# KiCad board JumperlessV5r8.kicad_pcb (continued)
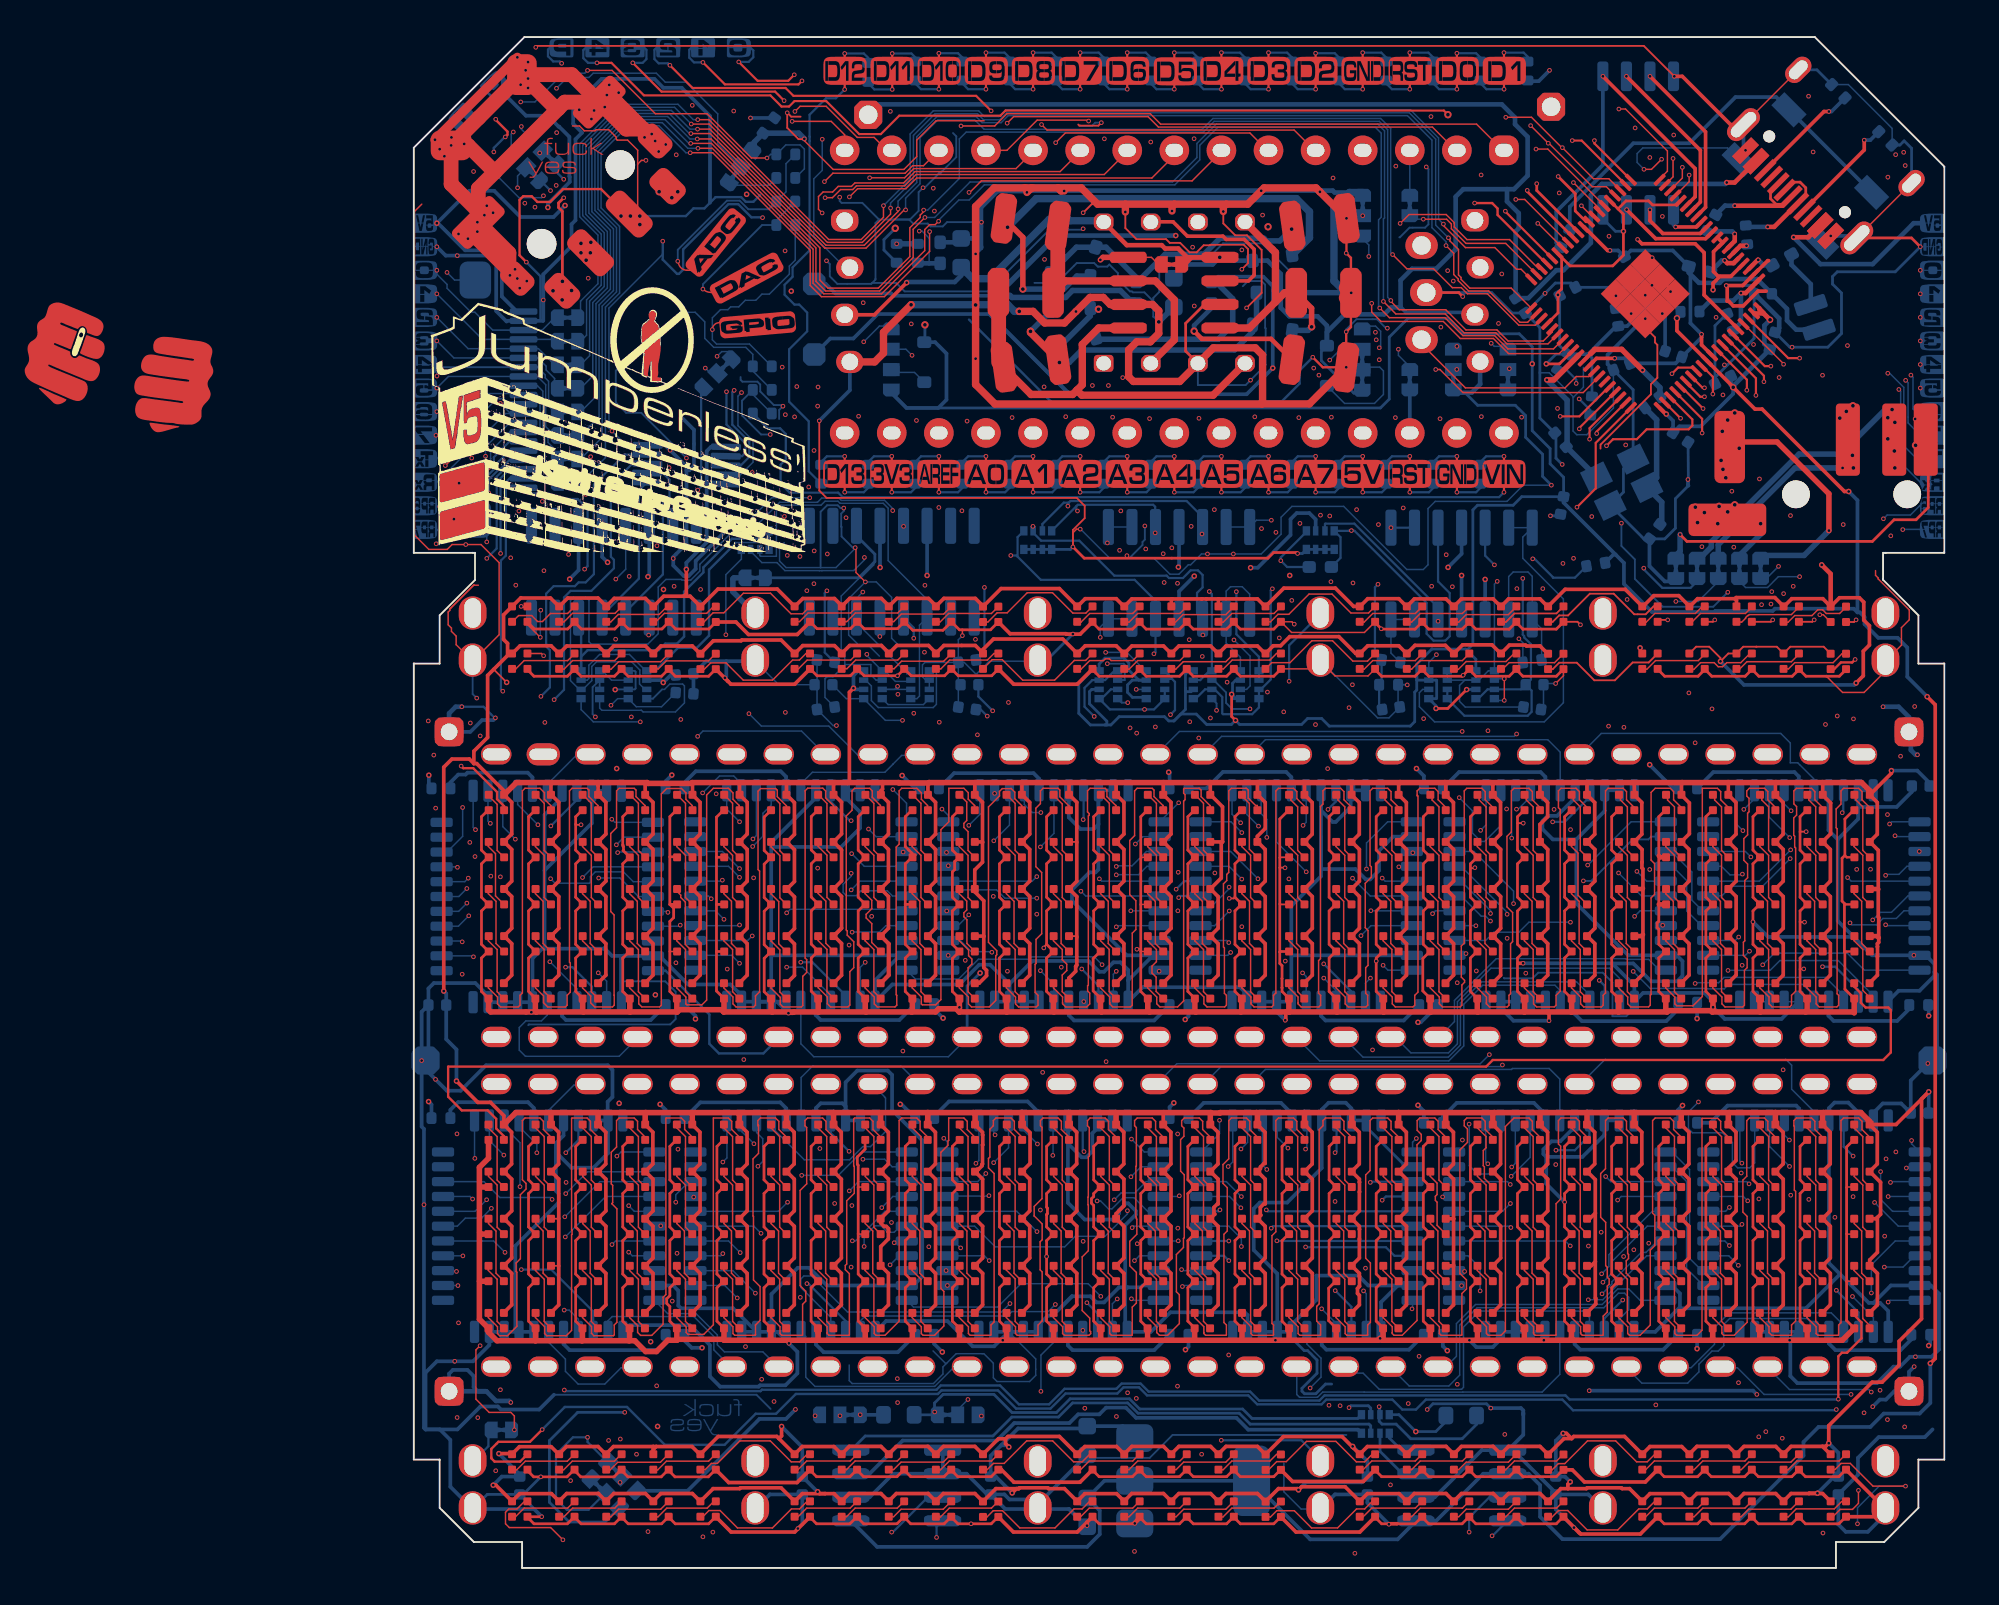
[diagram p0: board, top side]
## Routing (per net, layer and track width the routed paths; a pad name or vN(x,y) marks a point on that pad's centre or on a via; arc(x,y) is an arc through that point) (continued)
Net-(D1311-DOUT): length 3.7
  Top w0.08: D1311.1 4.03,23.72 4.5,23.26 4.5,20.91 4.85,20.56
Net-(D1312-DOUT): length 3.7
  Top w0.08: 4.85,18.02 4.5,18.37 4.5,20.65 4.03,21.11 4.03,21.38 4.02,21.39
Net-(D1313-DOUT): length 3.7
  Top w0.08: 4.02,18.85 4.03,18.84 4.03,18.57 4.44,18.17 4.44,15.89 4.85,15.48
Net-(D1314-DOUT): length 3.7
  Top w0.08: 4.85,12.94 4.5,13.29 4.5,15.57 4.02,16.04 4.02,16.31
Net-(D1315-DOUT): length 16.5
  Top w0.08: 4.02,13.77 4.02,13.5 4.52,13.01 4.52,12.64 4.63,12.52 5.05,12.52 5.56,13.03 5.56,15.94 5.52,15.98 5.52,16.44 5.75,16.67 5.75,20.13 6.05,20.43 6.05,20.74 5.86,20.93 5.86,24.12 6,24.26 6.81,24.26 6.99,24.08 6.99,23.64 7.4,23.23 D1321.4
Net-(D1321-DOUT): length 3.7
  Top w0.08: 7.39,20.56 7.04,20.91 7.04,23.26 6.57,23.72 D1321.1
Net-(D1322-DOUT): length 3.7
  Top w0.08: 6.56,21.39 6.57,21.38 6.57,21.11 7.04,20.65 7.04,18.37 7.39,18.02
Net-(D1323-DOUT): length 3.7
  Top w0.08: 7.39,15.48 6.98,15.89 6.98,18.17 6.57,18.57 6.57,18.84 6.56,18.85
Net-(D1324-DOUT): length 3.7
  Top w0.08: 7.39,12.94 7.04,13.29 7.04,15.57 6.56,16.04 6.56,16.31
Net-(D1325-DOUT): length 16.7
  Top w0.08: D1331.4 9.94,23.23 9.53,23.64 9.53,24.08 9.35,24.26 8.54,24.26 8.51,24.24 8.51,18.24 8.54,18.21 8.54,17.99 8.51,17.97 8.51,12.81 8.23,12.52 7.17,12.52 7.06,12.64 7.06,13.01 6.56,13.5 6.56,13.77
Net-(D1331-DOUT): length 3.7
  Top w0.08: D1331.1 9.11,23.72 9.58,23.26 9.58,20.91 9.93,20.56
Net-(D1332-DOUT): length 3.7
  Top w0.08: 9.93,18.02 9.58,18.37 9.58,20.65 9.11,21.11 9.11,21.38 9.1,21.39
Net-(D1333-DOUT): length 3.7
  Top w0.08: 9.1,18.85 9.11,18.84 9.11,18.57 9.52,18.17 9.52,15.89 9.93,15.48
Net-(D1334-DOUT): length 3.7
  Top w0.08: 9.1,16.31 9.1,16.04 9.58,15.57 9.58,13.29 9.93,12.94
Net-(D1335-DOUT): length 17
  Top w0.08: 9.1,13.77 9.1,13.5 9.58,13.02 9.58,12.65 9.71,12.52 10.77,12.52 10.81,12.56 10.81,13.1 10.96,13.24 10.96,19.36 10.68,19.64 10.73,19.69 10.73,20.63 10.65,20.71 10.65,22.41 10.94,22.7 10.94,24.12 11.08,24.26 11.89,24.26 12.07,24.08 12.07,23.64 12.48,23.23 D1341.4
Net-(D1341-DOUT): length 3.7
  Top w0.08: D1341.1 11.65,23.72 12.12,23.26 12.12,20.91 12.47,20.56
Net-(D1342-DOUT): length 3.7
  Top w0.08: 12.47,18.02 12.12,18.37 12.12,20.65 11.65,21.11 11.65,21.38 11.64,21.39
Net-(D1343-DOUT): length 3.7
  Top w0.08: 12.47,15.48 12.06,15.89 12.06,18.17 11.65,18.57 11.65,18.84 11.64,18.85
Net-(D1344-DOUT): length 3.7
  Top w0.08: 12.47,12.94 12.12,13.29 12.12,15.57 11.64,16.04 11.64,16.31
Net-(D1345-DOUT): length 16.4
  Top w0.08: D1351.4 15.02,23.23 14.61,23.64 14.61,24.08 14.43,24.26 13.62,24.26 13.6,24.24 13.6,14.74 13.45,14.59 13.45,13.15 12.84,12.54 12.23,12.54 12.07,12.7 12.07,13.07 11.64,13.5 11.64,13.77
Net-(D1351-DOUT): length 3.7
  Top w0.08: 15.01,20.56 14.66,20.91 14.66,23.26 14.19,23.72 D1351.1
Net-(D1352-DOUT): length 3.7
  Top w0.08: 14.18,21.39 14.19,21.38 14.19,21.11 14.66,20.65 14.66,18.37 15.01,18.02
Net-(D1353-DOUT): length 3.7
  Top w0.08: 14.18,18.85 14.19,18.84 14.19,18.57 14.6,18.17 14.6,15.89 15.01,15.48
Net-(D1354-DOUT): length 3.7
  Top w0.08: 14.18,16.31 14.18,16.04 14.66,15.57 14.66,13.29 15.01,12.94
Net-(D1355-DOUT): length 16.4
  Top w0.08: 14.18,13.77 14.18,13.5 14.69,12.99 14.69,12.69 14.79,12.59 15.64,12.59 16.16,13.11 16.16,24.26 16.97,24.26 17.15,24.08 17.15,23.64 17.56,23.23 D1361.4
Net-(D1361-DOUT): length 3.7
  Top w0.08: D1361.1 16.73,23.72 17.2,23.26 17.2,20.91 17.55,20.56
Net-(D1362-DOUT): length 3.7
  Top w0.08: 16.72,21.39 16.73,21.38 16.73,21.11 17.2,20.65 17.2,18.37 17.55,18.02
Net-(D1363-DOUT): length 3.7
  Top w0.08: 16.72,18.85 16.73,18.84 16.73,18.57 17.14,18.17 17.14,15.89 17.55,15.48
Net-(D1364-DOUT): length 3.7
  Top w0.08: 16.72,16.31 16.72,16.04 17.2,15.57 17.2,13.29 17.55,12.94
Net-(D1365-DOUT): length 17.1
  Top w0.08: 16.72,13.77 16.72,13.5 17.22,13.01 17.22,12.64 17.31,12.55 18.41,12.55 18.43,12.56 18.43,13.1 18.68,13.35 18.68,15.17 18.32,15.53 18.32,18.96 18.3,18.98 18.3,22.06 18.59,22.35 18.59,23.88 18.56,23.91 ; D1371.4 20.1,23.23 19.69,23.64 19.69,24.08 19.51,24.26 18.7,24.26 18.56,24.12 18.56,23.91 ; 18.56,23.84 18.56,23.91
Net-(D1371-DOUT): length 3.7
  Top w0.08: 20.09,20.56 19.74,20.91 19.74,23.26 19.27,23.72 D1371.1
Net-(D1372-DOUT): length 3.7
  Top w0.08: 20.09,18.02 19.74,18.37 19.74,20.65 19.27,21.11 19.27,21.38 19.26,21.39
Net-(D1373-DOUT): length 3.7
  Top w0.08: 19.26,18.85 19.27,18.84 19.27,18.57 19.68,18.17 19.68,15.89 20.09,15.48
Net-(D1374-DOUT): length 3.7
  Top w0.08: 20.09,12.94 19.74,13.29 19.74,15.57 19.26,16.04 19.26,16.31
Net-(D1375-DOUT): length 17
  Top w0.08: D1381.4 22.64,23.23 22.23,23.64 22.23,24.08 22.05,24.26 21.24,24.26 21.1,24.12 21.1,23.84 21.19,23.75 21.19,20.71 20.84,20.35 20.84,15.22 21.14,14.92 21.14,14.39 20.97,14.21 20.97,12.56 20.95,12.55 19.85,12.55 19.75,12.64 19.75,13.01 19.26,13.5 19.26,13.77
Net-(D1381-DOUT): length 3.7
  Top w0.08: D1381.1 21.81,23.72 22.28,23.26 22.28,20.91 22.63,20.56
Net-(D1382-DOUT): length 3.7
  Top w0.08: 22.63,18.02 22.28,18.37 22.28,20.65 21.81,21.11 21.81,21.38 21.8,21.39
Net-(D1383-DOUT): length 3.7
  Top w0.08: 21.8,18.85 21.81,18.84 21.81,18.57 22.22,18.17 22.22,15.89 22.63,15.48
Net-(D1384-DOUT): length 3.7
  Top w0.08: 22.63,12.94 22.28,13.29 22.28,15.57 21.8,16.04 21.8,16.31
Net-(D1385-DOUT): length 16.8
  Top w0.08: D1391.4 25.18,23.23 24.77,23.64 24.77,24.08 24.59,24.26 23.78,24.26 23.73,24.21 23.73,21.68 23.76,21.65 23.76,20.2 23.35,19.8 23.35,16.39 23.27,16.31 23.27,16.09 23.49,15.87 23.49,12.55 22.39,12.55 22.3,12.64 22.3,12.69 22.29,12.69 22.29,13.01 21.8,13.5 21.8,13.77
Net-(D1391-DOUT): length 3.7
  Top w0.08: 25.17,20.56 24.82,20.91 24.82,23.26 24.35,23.72 D1391.1
Net-(D1392-DOUT): length 3.7
  Top w0.08: 24.34,21.39 24.35,21.38 24.35,21.11 24.82,20.65 24.82,18.37 25.17,18.02
Net-(D1393-DOUT): length 3.7
  Top w0.08: 25.17,15.48 24.76,15.89 24.76,18.17 24.35,18.57 24.35,18.84 24.34,18.85
Net-(D1394-DOUT): length 3.7
  Top w0.08: 24.34,16.31 24.34,16.04 24.82,15.57 24.82,13.29 25.17,12.94
Net-(D1395-DOUT): length 16.3
  Top w0.08: D1401.4 27.72,23.23 27.31,23.64 27.31,24.08 27.13,24.26 26.32,24.26 26.18,24.12 26.18,13.31 25.42,12.55 24.93,12.55 24.84,12.64 24.84,13.01 24.34,13.5 24.34,13.77
Net-(D1401-DOUT): length 3.7
  Top w0.08: D1401.1 26.89,23.72 27.36,23.26 27.36,20.91 27.71,20.56
Net-(D1402-DOUT): length 3.7
  Top w0.08: 27.71,18.02 27.36,18.37 27.36,20.65 26.89,21.11 26.89,21.38 26.88,21.39
Net-(D1403-DOUT): length 3.7
  Top w0.08: 27.71,15.48 27.3,15.89 27.3,18.17 26.89,18.57 26.89,18.84 26.88,18.85
Net-(D1404-DOUT): length 3.7
  Top w0.08: 26.88,16.31 26.88,16.04 27.36,15.57 27.36,13.29 27.71,12.94
Net-(D1405-DOUT): length 16.5
  Top w0.08: 26.88,13.77 26.88,13.5 27.38,13.01 27.38,12.64 27.47,12.55 28.09,12.55 28.59,13.05 28.59,14.91 28.43,15.07 28.43,22.41 28.81,22.79 28.81,23.02 28.85,23.06 28.85,24.26 28.86,24.26 29.67,24.26 29.85,24.08 29.85,23.64 30.26,23.23 30.26,23.08
Net-(D1411-DOUT): length 3.7
  Top w0.08: 30.25,20.56 29.9,20.91 29.9,23.26 29.43,23.72 29.43,23.91
Net-(D1412-DOUT): length 3.7
  Top w0.08: 29.42,21.39 29.43,21.38 29.43,21.11 29.9,20.65 29.9,18.37 30.25,18.02
Net-(D1413-DOUT): length 3.7
  Top w0.08: 29.42,18.85 29.43,18.84 29.43,18.57 29.84,18.17 29.84,15.89 30.25,15.48
Net-(D1414-DOUT): length 3.7
  Top w0.08: 29.42,16.31 29.42,16.04 29.9,15.57 29.9,13.29 30.25,12.94
Net-(D1415-DOUT): length 16.9
  Top w0.08: 32.8,23.08 32.8,23.23 32.39,23.64 32.39,24.08 32.21,24.26 31.4,24.26 31.26,24.12 31.26,23.84 31.07,23.66 31.07,22.16 31,22.08 31,21.57 31.3,21.27 31.3,13.27 31.13,13.1 31.13,12.56 31.11,12.55 30.01,12.55 29.92,12.64 29.92,13.01 29.42,13.5 29.42,13.77
Net-(D1421-DOUT): length 3.7
  Top w0.08: 32.79,20.56 32.44,20.91 32.44,23.26 31.97,23.72 31.97,23.91
Net-(D1422-DOUT): length 3.7
  Top w0.08: 32.79,18.02 32.44,18.37 32.44,20.65 31.97,21.11 31.97,21.38 31.96,21.39
Net-(D1423-DOUT): length 3.7
  Top w0.08: 31.96,18.85 31.97,18.84 31.97,18.57 32.38,18.17 32.38,15.89 32.79,15.48
Net-(D1424-DOUT): length 3.7
  Top w0.08: 31.96,16.31 31.96,16.06 32.44,15.59 32.44,13.29 32.79,12.94
Net-(D1425-DOUT): length 17.2
  Top w0.08: D1431.4 35.34,23.23 34.93,23.64 34.93,24.08 34.75,24.26 33.94,24.26 33.8,24.12 33.8,23.84 33.88,23.76 33.88,19.91 33.46,19.49 33.46,18.98 33.46,18.98 33.89,18.55 33.89,17.69 33.78,17.58 33.78,16.07 33.89,15.96 33.89,13.32 33.67,13.1 33.67,12.56 33.65,12.55 32.55,12.55 32.46,12.64 32.46,13.01 31.96,13.5 31.96,13.77
Net-(D1431-DOUT): length 3.7
  Top w0.08: 35.33,20.56 34.98,20.91 34.98,23.26 34.51,23.72 D1431.1
Net-(D1432-DOUT): length 3.7
  Top w0.08: 35.33,18.02 34.98,18.37 34.98,20.65 34.51,21.11 34.51,21.38 34.5,21.39
Net-(D1433-DOUT): length 3.7
  Top w0.08: 34.5,18.85 34.51,18.84 34.51,18.57 34.92,18.17 34.92,15.89 35.33,15.48
Net-(D1434-DOUT): length 3.7
  Top w0.08: 35.33,12.94 34.98,13.29 34.98,15.57 34.5,16.04 34.5,16.31
Net-(D1435-DOUT): length 17.2
  Top w0.08: D1441.4 37.88,23.23 37.47,23.64 37.47,24.08 37.29,24.26 36.48,24.26 36.34,24.12 36.34,23.84 36.43,23.75 36.43,22.21 36.38,22.16 36.38,20.01 36.36,19.99 36.36,19.59 36.38,19.57 36.38,17.1 36.05,16.77 36.05,13.88 36.46,13.47 36.46,12.78 36.51,12.73 36.51,12.63 36.42,12.55 35.09,12.55 35,12.64 35,13.01 34.5,13.5 34.5,13.77
Net-(D1441-DOUT): length 3.7
  Top w0.08: D1441.1 37.05,23.72 37.52,23.26 37.52,20.91 37.87,20.56
Net-(D1442-DOUT): length 3.7
  Top w0.08: 37.87,18.02 37.52,18.37 37.52,20.65 37.05,21.11 37.05,21.38 37.04,21.39
Net-(D1443-DOUT): length 3.7
  Top w0.08: 37.87,15.48 37.46,15.89 37.46,18.17 37.05,18.57 37.05,18.84 37.04,18.85
Net-(D1444-DOUT): length 3.7
  Top w0.08: 37.87,12.94 37.52,13.29 37.52,15.57 37.04,16.04 37.04,16.31
Net-(D1445-DOUT): length 17.1
  Top w0.08: 37.04,13.77 37.04,13.5 37.54,13.01 37.54,12.64 37.63,12.55 38.73,12.55 38.75,12.56 38.75,14.06 38.97,14.28 38.97,15.93 38.62,16.29 38.62,17.61 39,17.99 39,18.8 38.97,18.83 38.97,18.91 38.95,18.93 38.95,21.65 38.97,21.67 38.97,23.75 38.88,23.84 38.88,24.12 39.02,24.26 39.83,24.26 40.01,24.08 40.01,23.64 40.42,23.23 D1451.4
Net-(D1451-DOUT): length 3.7
  Top w0.08: D1451.1 39.59,23.72 40.06,23.26 40.06,20.91 40.41,20.56
Net-(D1452-DOUT): length 3.7
  Top w0.08: 39.58,21.39 39.59,21.38 39.59,21.11 40.06,20.65 40.06,18.37 40.41,18.02
Net-(D1453-DOUT): length 3.7
  Top w0.08: 39.58,18.85 39.59,18.84 39.59,18.57 40,18.17 40,15.89 40.41,15.48
Net-(D1454-DOUT): length 3.7
  Top w0.08: 40.41,12.94 40.06,13.29 40.06,15.57 39.58,16.04 39.58,16.31
Net-(D1455-DOUT): length 16.6
  Top w0.08: D1461.4 42.96,23.23 42.55,23.64 42.55,24.08 42.37,24.26 41.56,24.26 41.42,24.12 41.42,23.84 41.54,23.72 41.54,23.28 41.36,23.1 41.36,21.4 41.56,21.2 41.56,17.81 41.51,17.76 41.51,17.28 41.13,16.9 41.13,14.89 41.29,14.73 41.29,13.17 40.66,12.55 40.22,12.55 40.07,12.69 40.07,13.01 39.58,13.5 39.58,13.77
Net-(D1461-DOUT): length 3.7
  Top w0.08: D1461.1 42.13,23.72 42.6,23.26 42.6,20.91 42.95,20.56
Net-(D1462-DOUT): length 3.7
  Top w0.08: 42.12,21.39 42.13,21.38 42.13,21.11 42.6,20.65 42.6,18.37 42.95,18.02
Net-(D1463-DOUT): length 3.7
  Top w0.08: 42.12,18.85 42.13,18.84 42.13,18.57 42.54,18.17 42.54,15.89 42.95,15.48
Net-(D1464-DOUT): length 3.7
  Top w0.08: 42.12,16.31 42.12,16.04 42.6,15.57 42.6,13.29 42.95,12.94
Net-(D1465-DOUT): length 16.9
  Top w0.08: D1471.4 45.5,23.23 45.09,23.64 45.09,24.08 44.91,24.26 44.1,24.26 43.96,24.12 43.96,22.06 43.65,21.75 43.65,20.74 43.87,20.51 43.87,18.17 43.7,17.99 43.7,13.23 43.83,13.1 43.83,12.56 43.81,12.55 42.71,12.55 42.62,12.64 42.62,12.69 42.61,12.69 42.61,13.01 42.12,13.5 42.12,13.77
Net-(D1471-DOUT): length 3.7
  Top w0.08: D1471.1 44.67,23.72 45.14,23.26 45.14,20.91 45.49,20.56
Net-(D1472-DOUT): length 3.7
  Top w0.08: 44.66,21.39 44.67,21.38 44.67,21.11 45.14,20.65 45.14,18.37 45.49,18.02
Net-(D1473-DOUT): length 3.7
  Top w0.08: 44.66,18.85 44.67,18.84 44.67,18.57 45.08,18.17 45.08,15.89 45.49,15.48
Net-(D1474-DOUT): length 3.7
  Top w0.08: 44.66,16.31 44.66,16.04 45.14,15.57 45.14,13.29 45.49,12.94
Net-(D1475-DOUT): length 16.7
  Top w0.08: D1481.4 48.04,23.23 47.63,23.64 47.63,24.08 47.45,24.26 46.64,24.26 46.5,24.12 46.5,18.13 46.29,17.92 46.29,13.18 46.37,13.1 46.37,12.56 46.35,12.55 45.25,12.55 45.16,12.64 45.16,13.01 44.66,13.5 44.66,13.77
Net-(D1481-DOUT): length 3.7
  Top w0.08: 48.03,20.56 47.68,20.91 47.68,23.26 47.21,23.72 D1481.1
Net-(D1482-DOUT): length 3.7
  Top w0.08: 48.03,18.02 47.68,18.37 47.68,20.65 47.21,21.11 47.21,21.38 47.2,21.39
Net-(D1483-DOUT): length 3.7
  Top w0.08: 48.03,15.48 47.62,15.89 47.62,18.17 47.21,18.57 47.21,18.84 47.2,18.85
Net-(D1484-DOUT): length 3.7
  Top w0.08: 48.03,12.94 47.68,13.29 47.68,15.57 47.2,16.04 47.2,16.31
Net-(D1485-DOUT): length 16.8
  Top w0.08: 47.2,13.77 47.2,13.5 47.7,13.01 47.7,12.64 47.79,12.55 48.89,12.55 48.91,12.56 48.91,13.1 48.7,13.31 48.7,14.11 48.83,14.24 48.83,23.64 49.04,23.84 49.04,24.12 49.18,24.26 49.99,24.26 50.17,24.08 50.17,23.64 50.58,23.23 50.58,23.08
Net-(D1491-DOUT): length 3.7
  Top w0.08: 50.57,20.56 50.22,20.91 50.22,23.26 49.75,23.72 49.75,23.91
Net-(D1492-DOUT): length 3.7
  Top w0.08: 49.74,21.39 49.75,21.38 49.75,21.11 50.22,20.65 50.22,18.37 50.57,18.02
Net-(D1493-DOUT): length 3.7
  Top w0.08: 49.74,18.85 49.75,18.84 49.75,18.57 50.16,18.17 50.16,15.89 50.57,15.48
Net-(D1494-DOUT): length 3.7
  Top w0.08: 49.74,16.31 49.74,16.04 50.22,15.57 50.22,13.29 50.57,12.94
Net-(D1495-DOUT): length 16.9
  Top w0.08: 49.74,13.77 49.74,13.5 50.24,13.01 50.24,12.64 50.33,12.55 51.43,12.55 51.45,12.56 51.45,13.1 51.6,13.24 51.6,16.44 51.34,16.7 51.34,21.19 51.58,21.43 51.58,24.12 51.72,24.26 52.53,24.26 52.71,24.08 52.71,23.64 53.12,23.23 D1501.4
Net-(D1501-DOUT): length 3.7
  Top w0.08: D1501.1 52.29,23.72 52.76,23.26 52.76,20.91 53.11,20.56
Net-(D1502-DOUT): length 3.7
  Top w0.08: 53.11,18.02 52.76,18.37 52.76,20.65 52.29,21.11 52.29,21.38 52.28,21.39
Net-(D1503-DOUT): length 3.7
  Top w0.08: 52.28,18.85 52.29,18.84 52.29,18.57 52.7,18.17 52.7,15.89 53.11,15.48
Net-(D1504-DOUT): length 3.7
  Top w0.08: 52.28,16.31 52.28,16.04 52.76,15.57 52.76,13.29 53.11,12.94
Net-(D1505-DOUT): length 16.4
  Top w0.08: D1511.4 55.66,23.23 55.25,23.64 55.25,24.08 55.07,24.26 54.26,24.26 54.12,24.12 54.12,23.6 54.34,23.38 54.34,23.05 54.11,22.82 54.11,13.34 53.31,12.55 52.87,12.55 52.78,12.64 52.78,12.69 52.77,12.69 52.77,13.01 52.28,13.5 52.28,13.77
Net-(D1511-DOUT): length 3.7
  Top w0.08: 55.65,20.56 55.3,20.91 55.3,23.26 54.83,23.72 D1511.1
Net-(D1512-DOUT): length 3.8
  Top w0.08: 54.82,21.39 54.82,21.12 55.19,20.75 55.19,20.13 55.1,20.04 55.1,19.82 55.19,19.73 55.19,18.48 55.65,18.02
Net-(D1513-DOUT): length 3.7
  Top w0.08: 55.65,15.48 55.24,15.89 55.24,18.17 54.83,18.57 54.83,18.84 54.82,18.85
Net-(D1514-DOUT): length 3.7
  Top w0.08: 54.82,16.31 54.82,16.04 55.3,15.57 55.3,13.29 55.65,12.94
Net-(D1515-DOUT): length 17.1
  Top w0.08: D1521.4 58.2,23.23 57.79,23.64 57.79,24.08 57.61,24.26 56.8,24.26 56.66,24.12 56.66,23.84 56.83,23.67 56.83,22.94 56.42,22.54 56.42,15.86 56.45,15.86 56.78,15.53 56.78,15.05 56.53,14.8 56.53,12.56 56.51,12.55 55.41,12.55 55.32,12.64 55.32,13.01 54.82,13.5 54.82,13.77
Net-(D1521-DOUT): length 3.8
  Top w0.08: 58.19,20.56 57.74,21 57.74,21.63 57.68,21.69 57.68,22.5 57.84,22.66 57.84,23.26 57.37,23.72 D1521.1
Net-(D1522-DOUT): length 3.7
  Top w0.08: 57.36,21.39 57.37,21.38 57.37,21.11 57.84,20.65 57.84,18.37 58.19,18.02
Net-(D1523-DOUT): length 3.7
  Top w0.08: 58.19,15.48 57.78,15.89 57.78,18.17 57.37,18.57 57.37,18.84 57.36,18.85
Net-(D1524-DOUT): length 3.7
  Top w0.08: 58.19,12.94 57.84,13.29 57.84,15.57 57.36,16.04 57.36,16.31
Net-(D1525-DOUT): length 16.4
  Top w0.08: D1531.4 60.74,23.23 60.33,23.64 60.33,24.08 60.15,24.26 59.34,24.26 58.88,23.8 58.88,12.78 58.64,12.55 57.95,12.55 57.86,12.64 57.86,13.01 57.36,13.5 57.36,13.77
Net-(D1531-DOUT): length 3.7
  Top w0.08: 60.73,20.56 60.38,20.91 60.38,23.26 59.91,23.72 D1531.1
Net-(D1532-DOUT): length 3.7
  Top w0.08: 59.9,21.39 59.91,21.38 59.91,21.11 60.38,20.65 60.38,18.37 60.73,18.02
Net-(D1533-DOUT): length 3.7
  Top w0.08: 60.73,15.48 60.32,15.89 60.32,18.17 59.91,18.57 59.91,18.84 59.9,18.85
Net-(D1534-DOUT): length 3.7
  Top w0.08: 59.9,16.31 59.9,16.04 60.38,15.57 60.38,13.29 60.73,12.94
Net-(D1535-DOUT): length 16.7
  Top w0.08: D1541.4 63.28,23.23 62.87,23.64 62.87,24.08 62.69,24.26 61.88,24.26 61.74,24.12 61.74,22.86 61.86,22.74 61.86,19.89 61.61,19.64 61.61,12.56 61.59,12.55 60.49,12.55 60.4,12.64 60.4,12.69 60.39,12.69 60.39,13.01 59.9,13.5 59.9,13.77
Net-(D1541-DOUT): length 3.7
  Top w0.08: D1541.1 62.45,23.72 62.92,23.26 62.92,20.91 63.27,20.56
Net-(D1542-DOUT): length 3.7
  Top w0.08: 63.27,18.02 62.92,18.37 62.92,20.65 62.45,21.11 62.45,21.38 62.44,21.39
Net-(D1543-DOUT): length 3.7
  Top w0.08: 62.44,18.85 62.45,18.84 62.45,18.57 62.86,18.17 62.86,15.89 63.27,15.48
Net-(D1544-DOUT): length 3.7
  Top w0.08: 63.27,12.94 62.92,13.29 62.92,15.57 62.44,16.04 62.44,16.31
Net-(D1545-DOUT): length 17
  Top w0.08: D1551.4 65.82,23.23 65.41,23.64 65.41,24.08 65.23,24.26 64.42,24.26 64.28,24.12 64.28,21.53 64.02,21.27 64.02,18.91 64.29,18.64 64.29,16.3 64.37,16.21 64.37,15.68 64.47,15.58 64.47,15.3 64.37,15.2 64.37,13.8 64.15,13.58 64.15,12.56 64.13,12.55 63.03,12.55 62.94,12.64 62.94,12.69 62.93,12.69 62.93,13.01 62.44,13.5 62.44,13.77
Net-(D1551-DOUT): length 3.7
  Top w0.08: 65.81,20.56 65.46,20.91 65.46,23.26 64.99,23.72 D1551.1
Net-(D1552-DOUT): length 3.7
  Top w0.08: 65.81,18.02 65.46,18.37 65.46,20.65 64.99,21.11 64.99,21.38 64.98,21.39
Net-(D1553-DOUT): length 3.8
  Top w0.08: 64.98,18.85 64.99,18.84 64.99,18.57 65.47,18.09 65.47,16.95 65.52,16.9 65.52,16.68 65.4,16.56 65.4,15.89 65.81,15.48
Net-(D1554-DOUT): length 3.7
  Top w0.08: 64.98,16.31 64.98,16.04 65.46,15.57 65.46,13.29 65.81,12.94
Net-(D1555-DOUT): length 16.4
  Top w0.08: D1561.4 68.36,23.23 67.95,23.64 67.95,24.08 67.77,24.26 66.96,24.26 66.82,24.12 66.82,19.13 66.94,19.01 66.94,17.38 66.69,17.14 66.69,13.1 66.14,12.55 65.57,12.55 65.48,12.64 65.48,13.01 64.98,13.5 64.98,13.77
Net-(D1561-DOUT): length 3.7
  Top w0.08: 68.35,20.56 68,20.91 68,23.26 67.53,23.72 D1561.1
Net-(D1562-DOUT): length 3.7
  Top w0.08: 68.35,18.02 68,18.37 68,20.65 67.53,21.11 67.53,21.38 67.52,21.39
Net-(D1563-DOUT): length 3.7
  Top w0.08: 67.52,18.85 67.53,18.84 67.53,18.57 67.94,18.17 67.94,15.89 68.35,15.48
Net-(D1564-DOUT): length 3.7
  Top w0.08: 67.52,16.31 67.52,16.04 68,15.57 68,13.29 68.35,12.94
Net-(D1565-DOUT): length 16.6
  Top w0.08: 67.52,13.77 67.52,13.5 68.02,13.01 68.02,12.64 68.11,12.55 69.21,12.55 69.48,12.82 69.48,24.25 70.33,24.25 70.49,24.08 70.49,23.64 70.9,23.23 D1571.4
Net-(D1571-DOUT): length 3.7
  Top w0.08: D1571.1 70.07,23.72 70.54,23.26 70.54,20.91 70.89,20.56
Net-(D1572-DOUT): length 3.7
  Top w0.08: 70.06,21.39 70.07,21.38 70.07,21.11 70.54,20.65 70.54,18.37 70.89,18.02
Net-(D1573-DOUT): length 3.7
  Top w0.08: 70.06,18.85 70.07,18.84 70.07,18.57 70.48,18.17 70.48,15.89 70.89,15.48
Net-(D1574-DOUT): length 3.7
  Top w0.08: 70.89,12.94 70.54,13.29 70.54,15.57 70.06,16.04 70.06,16.31
Net-(D1575-DOUT): length 16.5
  Top w0.08: 70.06,13.77 70.06,13.5 70.55,13.01 70.55,12.69 70.56,12.69 70.56,12.64 70.65,12.55 71.22,12.55 71.92,13.24 71.92,18.96 71.69,19.19 71.69,20.91 71.9,21.12 71.9,24.12 72.04,24.26 72.85,24.26 73.03,24.08 73.03,23.64 73.44,23.23 D1581.4
Net-(D1581-DOUT): length 3.7
  Top w0.08: D1581.1 72.61,23.72 73.08,23.26 73.08,20.91 73.43,20.56
Net-(D1582-DOUT): length 3.7
  Top w0.08: 73.43,18.02 73.08,18.37 73.08,20.65 72.61,21.11 72.61,21.38 72.6,21.39
Net-(D1583-DOUT): length 3.7
  Top w0.08: 72.6,18.85 72.61,18.84 72.61,18.57 73.02,18.17 73.02,15.89 73.43,15.48
Net-(D1584-DOUT): length 3.7
  Top w0.08: 72.6,16.31 72.6,16.04 73.08,15.57 73.08,13.29 73.43,12.94
Net-(D1585-DOUT): length 16.7
  Top w0.08: D1591.4 75.98,23.23 75.57,23.64 75.57,24.08 75.39,24.26 74.58,24.26 74.44,24.12 74.44,23.84 74.46,23.82 74.46,20.38 74.53,20.3 74.53,13.32 74.31,13.1 74.31,12.56 74.29,12.55 73.24,12.55 73.09,12.69 73.09,13.01 72.6,13.5 72.6,13.77
Net-(D1591-DOUT): length 3.7
  Top w0.08: D1591.1 75.15,23.72 75.62,23.26 75.62,20.91 75.97,20.56
Net-(D1592-DOUT): length 3.7
  Top w0.08: 75.97,18.02 75.62,18.37 75.62,20.65 75.15,21.11 75.15,21.38 75.14,21.39
Net-(D1593-DOUT): length 3.7
  Top w0.08: 75.97,15.48 75.56,15.89 75.56,18.17 75.15,18.57 75.15,18.84 75.14,18.85
Net-(D1594-DOUT): length 3.7
  Top w0.08: 75.14,16.31 75.14,16.04 75.62,15.57 75.62,13.29 75.97,12.94
Net-(D1595-DOUT): length 16.6
  Top w0.08: 75.14,13.77 75.14,13.5 75.64,13.01 75.64,12.64 75.73,12.55 76.83,12.55 76.85,12.56 76.85,13.1 76.98,13.23 76.98,24.12 77.12,24.26 77.93,24.26 78.11,24.08 78.11,23.64 78.52,23.23 D1601.4
Net-(D1601-DOUT): length 3.7
  Top w0.08: 78.51,20.56 78.16,20.91 78.16,23.26 77.69,23.72 D1601.1
Net-(D1602-DOUT): length 3.7
  Top w0.08: 77.68,21.39 77.69,21.38 77.69,21.11 78.16,20.65 78.16,18.37 78.51,18.02
Net-(D1603-DOUT): length 3.7
  Top w0.08: 77.68,18.85 77.69,18.84 77.69,18.57 78.1,18.17 78.1,15.89 78.51,15.48
Net-(D1604-DOUT): length 3.7
  Top w0.08: 77.68,16.31 77.68,16.04 78.16,15.57 78.16,13.44 78.51,13.09 78.51,12.94
Net-(D1611-DOUT): length 4
  Top w0.08: 8.65,51.82 8.3,51.47 7.37,51.47 6.94,51.03 6.68,51.03 6.36,51.36 5.65,51.36 5.3,51
Net-(D1612-DOUT): length 3.7
  Top w0.08: 7.82,50.99 7.83,51 ; 11.21,51.83 10.86,51.48 8.56,51.48 8.1,51.01 7.85,51.01
Net-(D1613-DOUT): length 3.7
  Top w0.08: 10.36,50.99 10.37,51 ; 13.75,51.83 D1614.4 13.67,51.85 13.24,51.42 11.03,51.42 10.62,51.01 10.39,51.01
Net-(D1614-DOUT): length 3.7
  Top w0.08: 12.92,51 13.04,51 13.52,51.48 15.8,51.48 16.16,51.84 D1615.4 16.29,51.83
Net-(D1615-DOUT): length 7.2
  Top w0.08: D1616.4 20.97,51.45 20.35,51.45 19.24,52.56 17.78,52.56 16.72,51.5 16.14,51.5 15.65,51.01 D1615.1
Net-(D1616-DOUT): length 3.7
  Top w0.08: 20.57,51.03 20.8,51.03 21.27,51.5 23.56,51.5 23.92,51.85
Net-(D1617-DOUT): length 3.7
  Top w0.08: 26.46,51.85 26.1,51.5 23.82,51.5 23.35,51.03 23.1,51.03 23.09,51.02
Net-(D1618-DOUT): length 3.7
  Top w0.08: 25.63,51.02 25.64,51.03 25.88,51.03 26.29,51.44 28.58,51.44 29,51.85
Net-(D1619-DOUT): length 3.7
  Top w0.08: 31.54,51.85 31.16,51.47 28.85,51.47 28.4,51.02 28.17,51.02
Net-(D1620-DOUT): length 7.2
  Top w0.08: D1620.1 30.97,51.01 31.46,51.5 32,51.5 33.09,52.59 34.45,52.59 35.55,51.49 36.25,51.49 D1621.4
Net-(D1621-DOUT): length 3.7
  Top w0.08: 35.78,51 35.99,51 36.45,51.47 38.78,51.47 39.13,51.82
Net-(D1622-DOUT): length 3.7
  Top w0.08: 41.67,51.82 41.32,51.47 39.04,51.47 38.58,51 38.31,51 38.3,50.99
Net-(D1623-DOUT): length 3.7
  Top w0.08: 40.84,50.99 40.85,51 41.08,51 41.49,51.41 43.8,51.41 44.21,51.82
Net-(D1624-DOUT): length 3.7
  Top w0.08: 43.38,50.99 43.65,50.99 44.12,51.47 46.4,51.47 46.75,51.82
Net-(D1625-DOUT): length 7.1
  Top w0.08: D1626.4 51.5,51.5 50.55,51.5 49.53,52.51 48.29,52.51 47.2,51.42 46.61,51.42 46.21,51.02 D1625.1
Net-(D1626-DOUT): length 3.7
  Top w0.08: 51.02,51 51.26,51 51.72,51.47 54.02,51.47 54.37,51.82
Net-(D1627-DOUT): length 3.7
  Top w0.08: 53.54,50.99 53.55,51 53.82,51 54.28,51.47 56.56,51.47 56.91,51.82
Net-(D1628-DOUT): length 3.7
  Top w0.08: 56.08,50.99 56.09,51 56.36,51 56.76,51.41 59.04,51.41 59.45,51.82
Net-(D1629-DOUT): length 7.4
  Top w0.08: 59.36,51.47 61.63,51.47 ; 59.36,51.47 61.63,51.47 ; 59.36,51.47 58.91,51.02 D1629.1 ; 59.36,51.47 58.89,50.99 58.62,50.99 ; 61.63,51.47 61.98,51.82 61.99,51.82 ; 61.63,51.47 D1630.4
Net-(D1630-DOUT): length 7.2
  Top w0.1: D1631.4 66.87,51.85 66.44,51.43 65.83,51.43 64.72,52.53 63.43,52.53 62.26,51.37 61.78,51.37 61.43,51.02 D1630.1
Net-(D1631-DOUT): length 3.7
  Top w0.08: 66.29,51 66.47,51 66.94,51.47 69.12,51.47 69.48,51.82 69.64,51.82
Net-(D1632-DOUT): length 3.7
  Top w0.08: 72.18,51.82 71.82,51.47 69.4,51.47 68.94,51 68.82,51 68.81,50.99
Net-(D1633-DOUT): length 3.7
  Top w0.08: 71.35,50.99 71.36,51 71.62,51 71.84,51.21 71.84,51.25 71.94,51.36 71.98,51.36 72.03,51.41 74.3,51.41 74.72,51.82
Net-(D1634-DOUT): length 3.9
  Top w0.08: 73.89,50.99 74.12,50.99 74.48,51.36 75.42,51.36 75.73,51.67 75.99,51.67 76.19,51.47 76.9,51.47 77.26,51.82
Net-(D1635-DOUT): length 72.1
  Top w0.08: v1(7,49.19) 6.88,49.31 D1636.4 ; D1635.1 76.03,51.4 v1(75.84,51.4)
  In1.Cu w0.08: v1(7,49.19) 17,49.19 17.83,50.02 19.19,50.02 19.41,49.81 32.43,49.81 32.69,50.07 34.79,50.07 34.95,49.92 41.46,49.92 41.95,49.42 47.46,49.42 48.06,50.02 55.71,50.02 55.77,50.08 58.53,50.08 58.85,50.4 64.59,50.4 65.57,51.37 68.19,51.37 68.22,51.4 v1(75.84,51.4)
Net-(D1636-DOUT): length 3.7
  Top w0.08: 5.3,48.46 5.49,48.46 5.95,48.93 8.3,48.93 8.65,49.28
Net-(D1637-DOUT): length 3.7
  Top w0.08: 11.19,49.28 10.84,48.93 8.56,48.93 8.1,48.46 7.83,48.46 7.82,48.45
Net-(D1638-DOUT): length 3.7
  Top w0.08: 10.36,48.45 10.37,48.46 10.64,48.46 11.04,48.87 13.32,48.87 13.73,49.28
Net-(D1639-DOUT): length 3.7
  Top w0.08: D1639.1 13.19,48.48 13.62,48.91 15.89,48.91 16.28,49.3 D1640.4
Net-(D1640-DOUT): length 7
  Top w0.08: D1641.4 21.16,49.31 20.8,48.96 20.43,48.96 19.35,47.88 17.77,47.88 16.84,48.8 16.01,48.8 15.67,48.47 D1640.1
